# Altium PCB PCB_3U_DAC_no_BNC.PCBDOC (part 6 of 7)
Units mm, origin at the board's own origin, x right, y up, seen from the top; angles counter-clockwise.
Board outline 160 x 100 mm, 4 copper layers (TopLayer, Internal Plane 2, Signal Layer 1, BottomLayer), stack 1.563 mm thick; 706 components, 563 nets, 2139 pads, 736 vias.
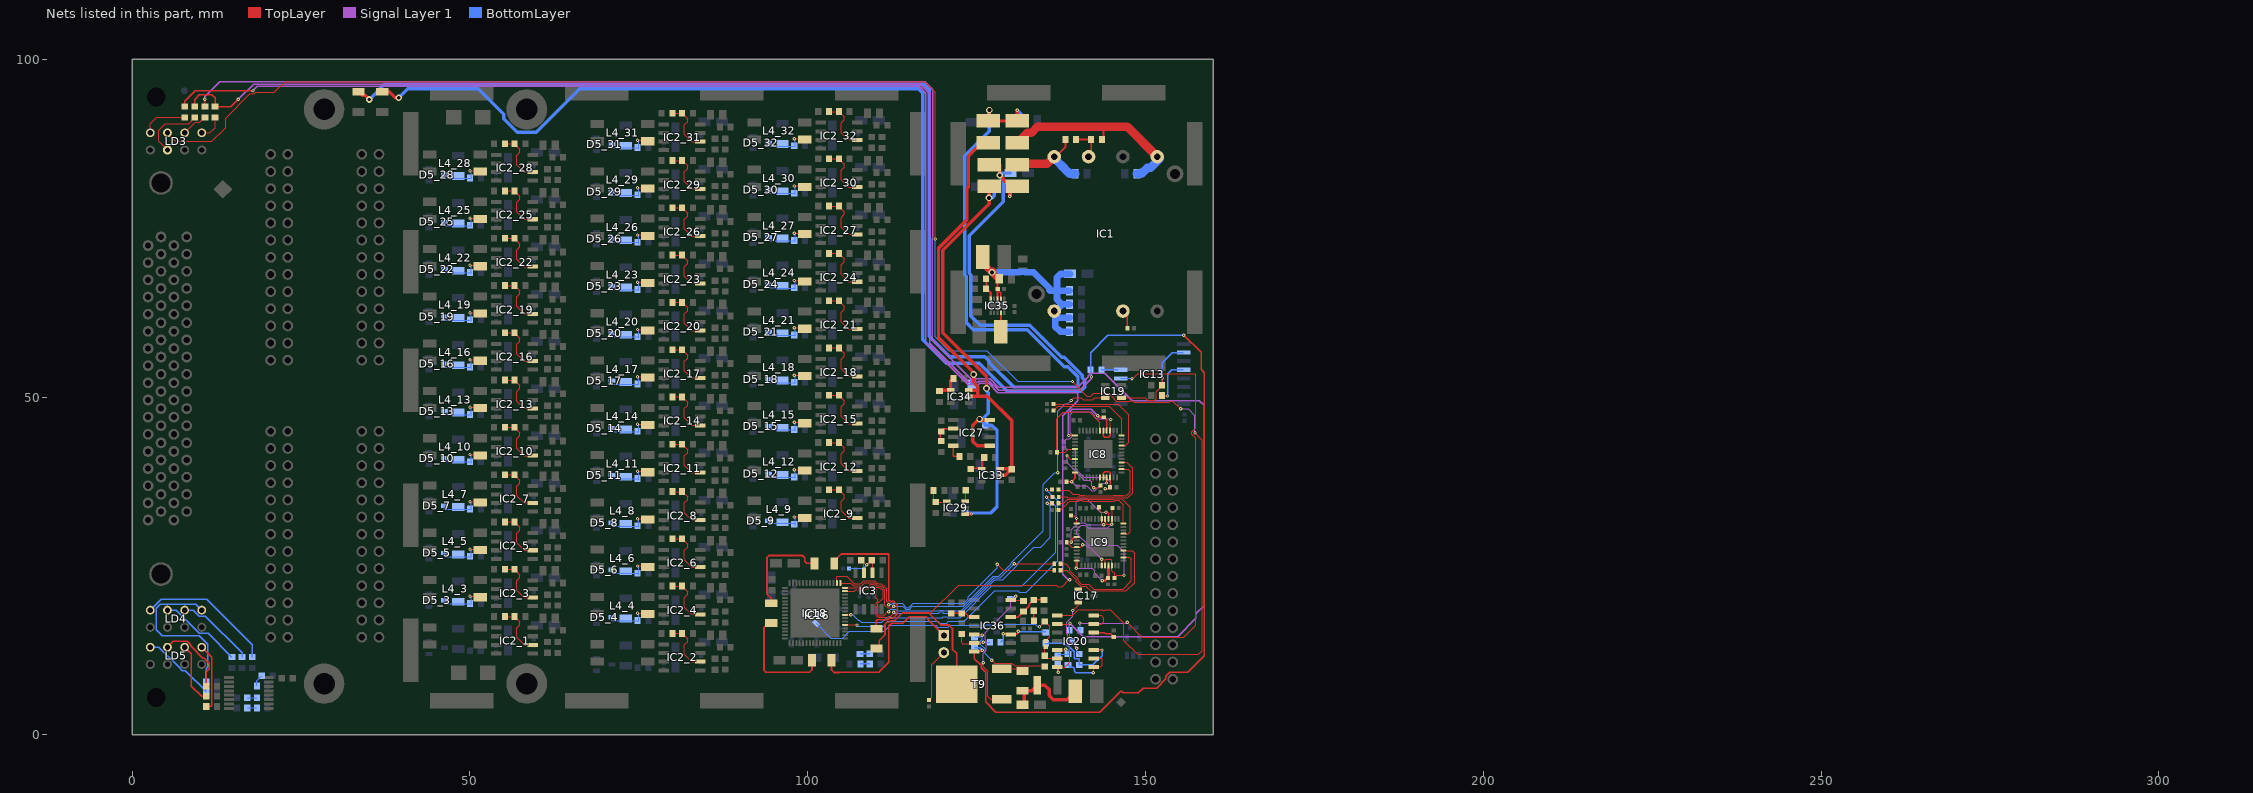
[diagram p8: the nets of this part, all layers, seen from the top]

## Via types
v1: diameter 0.5, hole 0.2, TopLayer to BottomLayer, tented both sides, 685 vias
v2: diameter 1, hole 0.5, TopLayer to BottomLayer, tented both sides, 21 vias
v3: diameter 0.6, hole 0.3, TopLayer to BottomLayer, tented both sides, 21 vias
v4: diameter 1, hole 0.6, TopLayer to BottomLayer, tented both sides, 9 vias

## Nets (pads, with @x,y where several pads share a name; then routed paths per layer and width w, separated by ;. In a path a pad name is that pad's centre, name@x,y a point inside that pad or via, vN(x,y) a via of type N, cw(c..) or ccw(c..) an arc to the next point about the centre after c; other vN are vias at no path point) (continued)
NetC62_3_2: C62_3.2 D5_3.3 L4_3.1 R39_3.2 | length 7.6
  TopLayer w0.152: v1(50.005,20.508) 51.419,20.508 L4_3.1@51.546,20.381
  BottomLayer w0.152: D5_3.3@46.213,20.206 D5_3.3@46.213,19.931 46.213,19.5 46.305,19.408 47.209,19.408 47.211,19.406 50.063,19.406 50.163,19.306 50.163,20.351 v1(50.005,20.508)
NetC62_4_2: C62_4.2 D5_4.3 L4_4.1 R39_4.2 | length 7.6
  TopLayer w0.152: v1(74.805,18.008) 76.219,18.008 L4_4.1@76.346,17.881
  BottomLayer w0.152: D5_4.3@71.013,17.706 D5_4.3@71.013,17.431 71.013,17 71.105,16.908 72.009,16.908 72.011,16.906 74.863,16.906 74.963,16.806 74.963,17.851 v1(74.805,18.008)
NetC62_5_2: C62_5.2 D5_5.3 L4_5.1 R39_5.2 | length 7.6
  TopLayer w0.152: v1(50.005,27.508) 51.419,27.508 L4_5.1@51.546,27.381
  BottomLayer w0.152: D5_5.3@46.213,27.206 D5_5.3@46.213,26.931 46.213,26.5 46.305,26.408 47.209,26.408 47.211,26.406 50.063,26.406 50.163,26.306 50.163,27.351 v1(50.005,27.508)
NetC62_6_2: C62_6.2 D5_6.3 L4_6.1 R39_6.2 | length 7.6
  TopLayer w0.152: v1(74.805,25.008) 76.219,25.008 L4_6.1@76.346,24.881
  BottomLayer w0.152: D5_6.3@71.013,24.706 D5_6.3@71.013,24.431 71.013,24 71.105,23.908 72.009,23.908 72.011,23.906 74.863,23.906 74.963,23.806 74.963,24.851 v1(74.805,25.008)
NetC62_7_2: C62_7.2 D5_7.3 L4_7.1 R39_7.2 | length 7.6
  TopLayer w0.152: v1(50.005,34.508) 51.419,34.508 L4_7.1@51.546,34.381
  BottomLayer w0.152: D5_7.3@46.213,34.206 D5_7.3@46.213,33.931 46.213,33.5 46.305,33.408 47.209,33.408 47.211,33.406 50.063,33.406 50.163,33.306 50.163,34.351 v1(50.005,34.508)
NetC62_8_2: C62_8.2 D5_8.3 L4_8.1 R39_8.2 | length 7.6
  TopLayer w0.152: v1(74.805,32.008) 76.219,32.008 L4_8.1@76.346,31.881
  BottomLayer w0.152: D5_8.3@71.013,31.706 71.013,31 71.105,30.908 72.009,30.908 72.011,30.906 74.863,30.906 74.963,30.806 74.963,31.851 v1(74.805,32.008)
NetC62_9_2: C62_9.2 D5_9.3 L4_9.1 R39_9.2 | length 7.6
  TopLayer w0.152: v1(98.005,32.258) 99.419,32.258 L4_9.1@99.546,32.131
  BottomLayer w0.152: D5_9.3@94.213,31.956 94.213,31.314 97.905,31.314 98.163,31.056 98.163,32.101 v1(98.005,32.258)
NetC62_10_2: C62_10.2 D5_10.3 L4_10.1 R39_10.2 | length 7.6
  TopLayer w0.152: v1(50.005,41.508) 51.419,41.508 L4_10.1@51.546,41.381
  BottomLayer w0.152: D5_10.3@46.213,41.206 46.213,40.5 46.305,40.408 47.209,40.408 47.211,40.406 50.063,40.406 50.163,40.306 50.163,41.351 v1(50.005,41.508)
NetC62_11_2: C62_11.2 D5_11.3 L4_11.1 R39_11.2 | length 7.6
  TopLayer w0.152: v1(74.805,39.008) 76.219,39.008 L4_11.1@76.346,38.881
  BottomLayer w0.152: D5_11.3@71.013,38.706 71.013,38 71.105,37.908 72.009,37.908 72.011,37.906 74.863,37.906 74.963,37.806 74.963,38.851 v1(74.805,39.008)
NetC62_12_2: C62_12.2 D5_12.3 L4_12.1 R39_12.2 | length 7.6
  TopLayer w0.152: v1(98.005,39.258) 99.419,39.258 L4_12.1@99.546,39.131
  BottomLayer w0.152: D5_12.3@94.213,38.956 94.213,38.25 94.305,38.158 95.209,38.158 95.211,38.156 98.063,38.156 98.163,38.056 98.163,39.101 v1(98.005,39.258)
NetC62_13_2: C62_13.2 D5_13.3 L4_13.1 R39_13.2 | length 7.6
  TopLayer w0.152: v1(50.005,48.508) 51.419,48.508 L4_13.1@51.546,48.381
  BottomLayer w0.152: D5_13.3@46.213,48.206 46.213,47.5 46.305,47.408 47.209,47.408 47.211,47.406 50.063,47.406 50.163,47.306 50.163,48.351 v1(50.005,48.508)
NetC62_14_2: C62_14.2 D5_14.3 L4_14.1 R39_14.2 | length 7.6
  TopLayer w0.152: v1(74.805,46.008) 76.219,46.008 L4_14.1@76.346,45.881
  BottomLayer w0.152: D5_14.3@71.013,45.706 71.013,45 71.105,44.908 72.009,44.908 72.011,44.906 74.863,44.906 74.963,44.806 74.963,45.851 v1(74.805,46.008)
NetC62_15_2: C62_15.2 D5_15.3 L4_15.1 R39_15.2 | length 7.6
  TopLayer w0.152: v1(98.005,46.258) 99.419,46.258 L4_15.1@99.546,46.131
  BottomLayer w0.152: D5_15.3@94.213,45.956 94.213,45.25 94.305,45.158 95.209,45.158 95.211,45.156 98.063,45.156 98.163,45.056 98.163,46.101 v1(98.005,46.258)
NetC62_16_2: C62_16.2 D5_16.3 L4_16.1 R39_16.2 | length 7.6
  TopLayer w0.152: v1(50.005,55.508) 51.419,55.508 L4_16.1@51.546,55.381
  BottomLayer w0.152: D5_16.3@46.213,55.206 46.213,54.5 46.305,54.408 47.209,54.408 47.211,54.406 50.063,54.406 50.163,54.306 50.163,55.351 v1(50.005,55.508)
NetC62_17_2: C62_17.2 D5_17.3 L4_17.1 R39_17.2 | length 7.6
  TopLayer w0.152: v1(74.805,53.008) 76.219,53.008 L4_17.1@76.346,52.881
  BottomLayer w0.152: D5_17.3@71.013,52.706 71.013,52 71.105,51.908 72.009,51.908 72.011,51.906 74.863,51.906 74.963,51.806 74.963,52.851 v1(74.805,53.008)
NetC62_18_2: C62_18.2 D5_18.3 L4_18.1 R39_18.2 | length 7.6
  TopLayer w0.152: v1(98.005,53.258) 99.419,53.258 L4_18.1@99.546,53.131
  BottomLayer w0.152: D5_18.3@94.213,52.956 94.213,52.25 94.305,52.158 95.209,52.158 95.211,52.156 98.063,52.156 98.163,52.056 98.163,53.101 v1(98.005,53.258)
NetC62_19_2: C62_19.2 D5_19.3 L4_19.1 R39_19.2 | length 7.6
  TopLayer w0.152: v1(50.005,62.508) 51.419,62.508 L4_19.1@51.546,62.381
  BottomLayer w0.152: D5_19.3@46.213,62.206 D5_19.3@46.213,61.931 46.213,61.5 46.305,61.408 47.209,61.408 47.211,61.406 50.063,61.406 50.163,61.306 50.163,62.351 v1(50.005,62.508)
NetC62_20_2: C62_20.2 D5_20.3 L4_20.1 R39_20.2 | length 7.6
  TopLayer w0.152: v1(74.805,60.008) 76.219,60.008 L4_20.1@76.346,59.881
  BottomLayer w0.152: D5_20.3@71.013,59.706 71.013,59 71.105,58.908 72.009,58.908 72.011,58.906 74.863,58.906 74.963,58.806 74.963,59.851 v1(74.805,60.008)
NetC62_21_2: C62_21.2 D5_21.3 L4_21.1 R39_21.2 | length 7.6
  TopLayer w0.152: v1(98.005,60.258) 99.419,60.258 L4_21.1@99.546,60.131
  BottomLayer w0.152: D5_21.3@94.213,59.956 94.213,59.25 94.305,59.158 95.209,59.158 95.211,59.156 98.063,59.156 98.163,59.056 98.163,60.101 v1(98.005,60.258)
NetC62_22_2: C62_22.2 D5_22.3 L4_22.1 R39_22.2 | length 7.6
  TopLayer w0.152: v1(50.005,69.508) 51.419,69.508 L4_22.1@51.546,69.381
  BottomLayer w0.152: D5_22.3@46.213,69.206 D5_22.3@46.213,68.931 46.213,68.5 46.305,68.408 47.209,68.408 47.211,68.406 50.063,68.406 50.163,68.306 50.163,69.351 v1(50.005,69.508)
NetC62_23_2: C62_23.2 D5_23.3 L4_23.1 R39_23.2 | length 7.6
  TopLayer w0.152: v1(74.805,67.008) 76.219,67.008 L4_23.1@76.346,66.881
  BottomLayer w0.152: D5_23.3@71.013,66.706 71.013,66 71.105,65.908 72.009,65.908 72.011,65.906 74.863,65.906 74.963,65.806 74.963,66.851 v1(74.805,67.008)
NetC62_24_2: C62_24.2 D5_24.3 L4_24.1 R39_24.2 | length 7.6
  TopLayer w0.152: v1(98.005,67.258) 99.419,67.258 L4_24.1@99.546,67.131
  BottomLayer w0.152: D5_24.3@94.213,66.956 94.213,66.25 94.305,66.158 95.209,66.158 95.211,66.156 98.063,66.156 98.163,66.056 98.163,67.101 v1(98.005,67.258)
NetC62_25_2: C62_25.2 D5_25.3 L4_25.1 R39_25.2 | length 7.6
  TopLayer w0.152: v1(50.005,76.508) 51.419,76.508 L4_25.1@51.546,76.381
  BottomLayer w0.152: D5_25.3@46.213,76.206 46.213,75.5 46.305,75.408 47.209,75.408 47.211,75.406 50.063,75.406 50.163,75.306 50.163,76.351 v1(50.005,76.508)
NetC62_26_2: C62_26.2 D5_26.3 L4_26.1 R39_26.2 | length 7.6
  TopLayer w0.152: v1(74.805,74.008) 76.219,74.008 L4_26.1@76.346,73.881
  BottomLayer w0.152: D5_26.3@71.013,73.706 71.013,73 71.105,72.908 72.009,72.908 72.011,72.906 74.863,72.906 74.963,72.806 74.963,73.851 v1(74.805,74.008)
NetC62_27_2: C62_27.2 D5_27.3 L4_27.1 R39_27.2 | length 7.6
  TopLayer w0.152: v1(98.005,74.258) 99.419,74.258 L4_27.1@99.546,74.131
  BottomLayer w0.152: D5_27.3@94.213,73.956 94.213,73.25 94.305,73.158 95.209,73.158 95.211,73.156 98.063,73.156 98.163,73.056 98.163,74.101 v1(98.005,74.258)
NetC62_28_2: C62_28.2 D5_28.3 L4_28.1 R39_28.2 | length 7.6
  TopLayer w0.152: v1(50.005,83.508) 51.419,83.508 L4_28.1@51.546,83.381
  BottomLayer w0.152: D5_28.3@46.213,83.206 D5_28.3@46.213,82.931 46.213,82.5 46.305,82.408 47.209,82.408 47.211,82.406 50.063,82.406 50.163,82.306 50.163,83.351 v1(50.005,83.508)
NetC62_29_2: C62_29.2 D5_29.3 L4_29.1 R39_29.2 | length 7.6
  TopLayer w0.152: v1(74.805,81.008) 76.219,81.008 L4_29.1@76.346,80.881
  BottomLayer w0.152: D5_29.3@71.013,80.706 D5_29.3@71.013,80.431 71.013,80 71.105,79.908 72.009,79.908 72.011,79.906 74.863,79.906 74.963,79.806 74.963,80.851 v1(74.805,81.008)
NetC62_30_2: C62_30.2 D5_30.3 L4_30.1 R39_30.2 | length 7.6
  TopLayer w0.152: v1(98.005,81.258) 99.419,81.258 L4_30.1@99.546,81.131
  BottomLayer w0.152: D5_30.3@94.213,80.956 D5_30.3@94.213,80.681 94.213,80.25 94.305,80.158 95.209,80.158 95.211,80.156 98.063,80.156 98.163,80.056 98.163,81.101 v1(98.005,81.258)
NetC62_31_2: C62_31.2 D5_31.3 L4_31.1 R39_31.2 | length 7.6
  TopLayer w0.152: v1(74.805,88.008) 76.219,88.008 L4_31.1@76.346,87.881
  BottomLayer w0.152: D5_31.3@71.013,87.706 71.013,87 71.105,86.908 72.009,86.908 72.011,86.906 74.863,86.906 74.963,86.806 74.963,87.851 v1(74.805,88.008)
NetC62_32_2: C62_32.2 D5_32.3 L4_32.1 R39_32.2 | length 7.6
  TopLayer w0.152: v1(98.005,88.258) 99.419,88.258 L4_32.1@99.546,88.131
  BottomLayer w0.152: D5_32.3@94.213,87.956 D5_32.3@94.213,87.681 94.213,87.25 94.305,87.158 95.209,87.158 95.211,87.156 98.063,87.156 98.163,87.056 98.163,88.101 v1(98.005,88.258)
NetC63_2: C63.2 C133.2 C134.1 IC27.5 IC27.8 IC29.1 L7.2 | length 71
  TopLayer w0.508: IC29.1@123.283,32.697 v1(124.242,32.697) ; v4@125.193,46.606 124.431,45.844 124.431,43.697 124.427,43.693 124.427,43.435 125.061,42.801 IC27.5@126.963,42.801 ; v4@125.32,46.606 125.325,46.611 IC27.8@126.963,46.611 ; v4(126.463,51.305) 126.463,53.083 119.986,59.56 119.986,71.752 126.844,78.61 L7.2@126.844,81.201
  BottomLayer w0.508: C133.2@123.283,32.847 127.081,32.847 128.016,33.782 128.016,45.069 127.254,45.831 C63.2@126.263,45.831 ; C63.2@126.209,46.098 125.701,46.606 126.717,47.622 126.717,50.679 126.463,50.933 v4(126.463,51.305) ; v4(126.844,79.499) 127.352,79.499 127.636,79.783 C134.1@127.636,81.15
  other v4: 125.447,46.733
NetC64_1: C64.1 IC27.4 | length 2.4
  TopLayer w0.2: IC27.4@121.563,42.801 121.563,41.219 122.345,41.219 C64.1@122.399,41.272
NetC65_1: C65.1 C152.1 L3.1 R172.2 | length 12
  TopLayer w0.508: C65.1@131.767,4.442 132.051,4.726 132.051,6.548 133.164,6.548 C152.1@133.98,7.363 135.099,7.363 135.23,7.232 135.23,7.229 135.599,6.859 135.603,6.859 135.734,6.728 135.734,5.839 136.369,5.204 138.325,5.204 L3.1@139.595,6.474
NetC68_2: C68.2 R117.1 | length 1.5
  BottomLayer w0.203: R117.1@107.75,11.981 109.181,11.981 C68.2@109.2,12
NetC71_2: C71.2 R118.1 | length 1.4
  BottomLayer w0.127: C71.2@17.05,5.5 R118.1@18.45,5.5
NetC76_2: C76.2 R82.1 | length 1.4
  BottomLayer w0.127: C76.2@17.05,4 R82.1@18.45,4
NetC77_2: C77.2 R58.1 | length 1.8
  BottomLayer w0.127: R58.1@18.45,7.25 18.45,8 C77.2@19.2,8.75
NetC80_2: C80.2 IC3.2 R3.2 | length 6.2
  TopLayer w0.127: v1(108.751,25.172) 109.28,25.702 109.614,25.702 IC3.2@109.614,24.02 IC3.2@109.614,23.45
  BottomLayer w0.127: R3.2@106.134,24.638 108.216,24.638 v1(108.751,25.172)
NetC82_2: C82.2 IC3.3 | length 2.1
  TopLayer w0.127: C82.2@107.899,25.842 108.344,25.397 108.344,25.389 108.284,25.328 108.284,24.081 IC3.3@108.344,24.02
NetC95_2: C95.2 R116.1 | length 1.4
  BottomLayer w0.203: R116.1@107.8,10.5 C95.2@109.2,10.5
NetC128_1: C128.1 IC29.3 | length 1.7
  TopLayer w0.127: IC29.3@123.283,34.597 123.408,34.722 C128.1@123.408,36.222
NetC130_2: C130.2 IC1.7 L6.1 R1.2 | length 13.1
  TopLayer w0.254: IC1.7@136.493,85.598 136.623,85.468 138.138,86.984 R1.2@138.138,88.138
  TopLayer w1.27: L6.1@131.035,84.401 131.213,84.579 135.469,84.579 IC1.7@136.488,85.598
  BottomLayer w1.27: IC1.7@136.75,85.087 138.037,83.8 138.037,83.79 138.769,83.058 C130.2@139.562,83.058
NetC131_2: C131.2 C132.1 F1.2 L6.2 L7.1 | length 204.4
  TopLayer w0.508: F1.2@37.013,95.206 38.043,95.206 38.942,94.307 v2(39.45,94.307) ; v2(128.421,82.855) L7.1@128.421,84.401 ; v2@128.751,82.582 128.975,82.359 128.975,82.15 129.924,81.201 L6.2@131.035,81.201 ; v1(129.892,79.753) L6.2@129.892,80.769
  BottomLayer w0.508: v2(39.45,94.307) 40.805,95.662 51.203,95.662 55.019,91.846 55.019,91.2 57,89.219 59.8,89.219 66.244,95.662 116.338,95.662 117,95 117,58.5 120.5,55 125.371,55 129.506,50.865 140.38,50.865 141,51.485 141,52.5 140.635,52.865 140.635,53.263 137.97,55.928 137.572,55.928 132.86,60.64 125.506,60.64 124.135,62.011 124.135,68.114 123.88,68.369 123.88,73.88 128.917,78.917 128.917,82.101 128.749,82.269 128.749,83.182 C132.1@129.989,83.182 ; C131.2@129.881,81.023 129.88,79.764 v1(129.892,79.753)
NetC136_1: C136.1 C137.2 C138.2 C139.2 C140.2 C150.2 C151.2 IC1.1 IC35.2 IC35.3 L8.1 | length 36.1
  TopLayer w0.254: IC35.3@128.087,64.581 128.087,67.535 C151.2@128.114,67.561 ; C150.2@128.241,65.91 128.241,65.783 128.588,65.436 IC35.2@128.588,64.581
  TopLayer w1: L8.1@126.336,69.847 126.336,69.383 127.06,68.658 127.465,68.658 127.465,68.254 C151.2@128.187,67.531
  BottomLayer w1: v4(127.288,68.477) 131.345,68.477 131.433,68.565 132.16,68.565 132.248,68.477 133.453,68.477 135.735,66.195 135.735,65.941 135.935,65.741 136.906,65.741 ; 136.771,61.741 C140.2@138.73,61.741 ; 137.755,63.741 C139.2@138.73,63.741 ; C138.2@138.73,65.741 136.906,65.741 ; C137.2@138.782,59.687 137.385,59.687 136.623,60.449 136.623,62.715 137.649,63.741 136.906,64.484 136.906,65.741 ; C136.1@138.83,68.241 137.429,68.241 136.906,67.718 136.906,65.741
NetC141_2: C141.2 IC1.4 L9.1 R4.1 | length 29.9
  TopLayer w0.254: R4.1@143.548,88.138 143.764,88.354 143.764,90.044
  TopLayer w1.27: L9.1@131.035,87.678 132.473,89.116 133.1,89.116 134.028,90.044 143.764,90.044 147.287,90.044 IC1.4@151.736,85.595
  BottomLayer w1.27: C141.2@148.728,83.058 149.37,83.058 150.279,83.968 150.743,83.968 IC1.4@152.117,85.341
NetC142_2: C142.2 C143.1 F2.2 L9.2 L15.1 | length 211.2
  TopLayer w0.508: F2.2@34.047,95.206 F2.2@33.513,95.206 34.056,94.663 34.472,94.663 v2(35.081,94.053) ; L15.1@126.717,90.878 130.451,90.878 L9.2@130.527,90.802 ; L15.1@126.717,91.183 126.844,91.31 v4@126.844,92.326 ; L9.2@131.035,90.878 v1(131.035,92.453)
  BottomLayer w0.508: v2(35.081,94.053) 37.325,96.297 117.203,96.297 118,95.5 118,59 121,56 126.174,56 126.881,55.293 126.881,55.119 130.5,51.5 140,51.5 140,53 138.5,54.5 138,54.5 132.495,60.005 124.495,60.005 123.5,61 123.5,67.851 123.245,68.106 123.245,85.745 126.874,89.374 v4(126.874,92.479) ; v1(131.035,92.453) 132.051,91.437 C142.2@132.051,91.183
NetC144_2: C144.2 C145.1 IC33.2 IC33.3 IC34.2 IC34.3 L15.2 | length 65.2
  TopLayer w0.508: IC34.2@123.796,50.162 125.193,50.162 ; IC34.3@123.836,51.044 125.073,51.044 125.193,50.924 125.193,50.162 ; 125.193,51.051 125.193,51.559 124.558,52.194 v4(124.558,53.337) 124.558,53.591 119.351,58.798 119.351,72.015 123.57,76.235 123.57,80.95 123.794,81.173 123.794,85.72 125.752,87.678 L15.2@126.717,87.678 ; IC33.2@128.485,38.435 129.213,38.435 129.892,39.113 C144.2@130.019,39.113 ; IC33.3@128.485,39.385 130.001,39.385 C144.2@130.146,39.24 ; C144.2@130.21,39.351 130.21,46.542 126.59,50.162 125.193,50.162
  BottomLayer w0.508: C145.1@124.304,52.067 124.558,52.321 124.558,52.702 ; C145.1@124.304,52.448 124.558,52.702 ; v4(124.558,53.337) 124.558,52.702
NetIC1_2: IC1.2 R2.2 | length 2.8
  TopLayer w0.254: IC1.2@146.648,62.738 147.282,62.104 R2.2@147.282,60.198
NetIC1_6: IC1.6 R1.1 R4.2 | length 4.9
  TopLayer w0.254: R1.1@139.738,88.138 R4.2@141.948,88.138 141.948,85.978 IC1.6@141.568,85.598
NetIC2_1_2: IC2_1.2 R67_1.1 R68_1.2 | length 7.9
  TopLayer w0.152: R67_1.1@55.156,17.526 R68_1.2@56.604,17.526 57.404,16.726 57.404,16.288 56.951,15.835 56.951,14.423 58.039,13.335 IC2_1.2@59.307,13.335
NetIC2_2_2: IC2_2.2 R67_2.1 R68_2.2 | length 7.9
  TopLayer w0.152: R67_2.1@79.956,15.026 R68_2.2@81.404,15.026 82.204,14.226 82.204,13.788 81.751,13.335 81.751,11.923 82.839,10.835 IC2_2.2@84.107,10.835
NetIC2_3_2: IC2_3.2 R67_3.1 R68_3.2 | length 7.9
  TopLayer w0.152: R67_3.1@55.156,24.526 R68_3.2@56.604,24.526 57.404,23.726 57.404,23.288 56.951,22.835 56.951,21.423 58.039,20.335 IC2_3.2@59.307,20.335
NetIC2_4_2: IC2_4.2 R67_4.1 R68_4.2 | length 7.9
  TopLayer w0.152: R67_4.1@79.956,22.026 R68_4.2@81.404,22.026 82.204,21.226 82.204,20.788 81.751,20.335 81.751,18.923 82.839,17.835 IC2_4.2@84.107,17.835
NetIC2_5_2: IC2_5.2 R67_5.1 R68_5.2 | length 7.9
  TopLayer w0.152: R67_5.1@55.156,31.526 R68_5.2@56.604,31.526 57.404,30.726 57.404,30.288 56.951,29.835 56.951,28.423 58.039,27.335 IC2_5.2@59.307,27.335
NetIC2_6_2: IC2_6.2 R67_6.1 R68_6.2 | length 7.9
  TopLayer w0.152: R67_6.1@79.956,29.026 R68_6.2@81.404,29.026 82.204,28.226 82.204,27.788 81.751,27.335 81.751,25.923 82.839,24.835 IC2_6.2@84.107,24.835
NetIC2_7_2: IC2_7.2 R67_7.1 R68_7.2 | length 7.9
  TopLayer w0.152: R67_7.1@55.156,38.526 R68_7.2@56.604,38.526 57.404,37.726 57.404,37.288 56.951,36.835 56.951,35.423 58.039,34.335 IC2_7.2@59.307,34.335
NetIC2_8_2: IC2_8.2 R67_8.1 R68_8.2 | length 7.9
  TopLayer w0.152: R67_8.1@79.956,36.026 R68_8.2@81.404,36.026 82.204,35.226 82.204,34.788 81.751,34.335 81.751,32.923 82.839,31.835 IC2_8.2@84.107,31.835
NetIC2_9_2: IC2_9.2 R67_9.1 R68_9.2 | length 7.9
  TopLayer w0.152: R67_9.1@103.156,36.276 R68_9.2@104.604,36.276 105.404,35.476 105.404,35.038 104.951,34.585 104.951,33.173 106.039,32.085 IC2_9.2@107.307,32.085
NetIC2_10_2: IC2_10.2 R67_10.1 R68_10.2 | length 7.9
  TopLayer w0.152: R67_10.1@55.156,45.526 R68_10.2@56.604,45.526 57.404,44.726 57.404,44.288 56.951,43.835 56.951,42.423 58.039,41.335 IC2_10.2@59.307,41.335
NetIC2_11_2: IC2_11.2 R67_11.1 R68_11.2 | length 7.9
  TopLayer w0.152: R67_11.1@79.956,43.026 R68_11.2@81.404,43.026 82.204,42.226 82.204,41.788 81.751,41.335 81.751,39.923 82.839,38.835 IC2_11.2@84.107,38.835
NetIC2_12_2: IC2_12.2 R67_12.1 R68_12.2 | length 7.9
  TopLayer w0.152: R67_12.1@103.156,43.276 R68_12.2@104.604,43.276 105.404,42.476 105.404,42.038 104.951,41.585 104.951,40.173 106.039,39.085 IC2_12.2@107.307,39.085
NetIC2_13_2: IC2_13.2 R67_13.1 R68_13.2 | length 7.9
  TopLayer w0.152: R67_13.1@55.156,52.526 R68_13.2@56.604,52.526 57.404,51.726 57.404,51.288 56.951,50.835 56.951,49.423 58.039,48.335 IC2_13.2@59.307,48.335
NetIC2_14_2: IC2_14.2 R67_14.1 R68_14.2 | length 7.9
  TopLayer w0.152: R67_14.1@79.956,50.026 R68_14.2@81.404,50.026 82.204,49.226 82.204,48.788 81.751,48.335 81.751,46.923 82.839,45.835 IC2_14.2@84.107,45.835
NetIC2_15_2: IC2_15.2 R67_15.1 R68_15.2 | length 7.9
  TopLayer w0.152: R67_15.1@103.156,50.276 R68_15.2@104.604,50.276 105.404,49.476 105.404,49.038 104.951,48.585 104.951,47.173 106.039,46.085 IC2_15.2@107.307,46.085
NetIC2_16_2: IC2_16.2 R67_16.1 R68_16.2 | length 7.9
  TopLayer w0.152: R67_16.1@55.156,59.526 R68_16.2@56.604,59.526 57.404,58.726 57.404,58.288 56.951,57.835 56.951,56.423 58.039,55.335 IC2_16.2@59.307,55.335
NetIC2_17_2: IC2_17.2 R67_17.1 R68_17.2 | length 7.9
  TopLayer w0.152: R67_17.1@79.956,57.026 R68_17.2@81.404,57.026 82.204,56.226 82.204,55.788 81.751,55.335 81.751,53.923 82.839,52.835 IC2_17.2@84.107,52.835
NetIC2_18_2: IC2_18.2 R67_18.1 R68_18.2 | length 7.9
  TopLayer w0.152: R67_18.1@103.156,57.276 R68_18.2@104.604,57.276 105.404,56.476 105.404,56.038 104.951,55.585 104.951,54.173 106.039,53.085 IC2_18.2@107.307,53.085
NetIC2_19_2: IC2_19.2 R67_19.1 R68_19.2 | length 7.9
  TopLayer w0.152: R67_19.1@55.156,66.526 R68_19.2@56.604,66.526 57.404,65.726 57.404,65.288 56.951,64.835 56.951,63.423 58.039,62.335 IC2_19.2@59.307,62.335
NetIC2_20_2: IC2_20.2 R67_20.1 R68_20.2 | length 7.9
  TopLayer w0.152: R67_20.1@79.956,64.026 R68_20.2@81.404,64.026 82.204,63.226 82.204,62.788 81.751,62.335 81.751,60.923 82.839,59.835 IC2_20.2@84.107,59.835
NetIC2_21_2: IC2_21.2 R67_21.1 R68_21.2 | length 7.9
  TopLayer w0.152: R67_21.1@103.156,64.276 R68_21.2@104.604,64.276 105.404,63.476 105.404,63.038 104.951,62.585 104.951,61.173 106.039,60.085 IC2_21.2@107.307,60.085
NetIC2_22_2: IC2_22.2 R67_22.1 R68_22.2 | length 7.9
  TopLayer w0.152: R67_22.1@55.156,73.526 R68_22.2@56.604,73.526 57.404,72.726 57.404,72.288 56.951,71.835 56.951,70.423 58.039,69.335 IC2_22.2@59.307,69.335
NetIC2_23_2: IC2_23.2 R67_23.1 R68_23.2 | length 7.9
  TopLayer w0.152: R67_23.1@79.956,71.026 R68_23.2@81.404,71.026 82.204,70.226 82.204,69.788 81.751,69.335 81.751,67.923 82.839,66.835 IC2_23.2@84.107,66.835
NetIC2_24_2: IC2_24.2 R67_24.1 R68_24.2 | length 7.9
  TopLayer w0.152: R67_24.1@103.156,71.276 R68_24.2@104.604,71.276 105.404,70.476 105.404,70.038 104.951,69.585 104.951,68.173 106.039,67.085 IC2_24.2@107.307,67.085
NetIC2_25_2: IC2_25.2 R67_25.1 R68_25.2 | length 7.9
  TopLayer w0.152: R67_25.1@55.156,80.526 R68_25.2@56.604,80.526 57.404,79.726 57.404,79.288 56.951,78.835 56.951,77.423 58.039,76.335 IC2_25.2@59.307,76.335
NetIC2_26_2: IC2_26.2 R67_26.1 R68_26.2 | length 7.9
  TopLayer w0.152: R67_26.1@79.956,78.026 R68_26.2@81.404,78.026 82.204,77.226 82.204,76.788 81.751,76.335 81.751,74.923 82.839,73.835 IC2_26.2@84.107,73.835
NetIC2_27_2: IC2_27.2 R67_27.1 R68_27.2 | length 7.9
  TopLayer w0.152: R67_27.1@103.156,78.276 R68_27.2@104.604,78.276 105.404,77.476 105.404,77.038 104.951,76.585 104.951,75.173 106.039,74.085 IC2_27.2@107.307,74.085
NetIC2_28_2: IC2_28.2 R67_28.1 R68_28.2 | length 7.9
  TopLayer w0.152: R67_28.1@55.156,87.526 R68_28.2@56.604,87.526 57.404,86.726 57.404,86.288 56.951,85.835 56.951,84.423 58.039,83.335 IC2_28.2@59.307,83.335
NetIC2_29_2: IC2_29.2 R67_29.1 R68_29.2 | length 7.9
  TopLayer w0.152: R67_29.1@79.956,85.026 R68_29.2@81.404,85.026 82.204,84.226 82.204,83.788 81.751,83.335 81.751,81.923 82.839,80.835 IC2_29.2@84.107,80.835
NetIC2_30_2: IC2_30.2 R67_30.1 R68_30.2 | length 7.9
  TopLayer w0.152: R67_30.1@103.156,85.276 R68_30.2@104.604,85.276 105.404,84.476 105.404,84.038 104.951,83.585 104.951,82.173 106.039,81.085 IC2_30.2@107.307,81.085
NetIC2_31_2: IC2_31.2 R67_31.1 R68_31.2 | length 7.9
  TopLayer w0.152: R67_31.1@79.956,92.026 R68_31.2@81.404,92.026 82.204,91.226 82.204,90.788 81.751,90.335 81.751,88.923 82.839,87.835 IC2_31.2@84.107,87.835
NetIC2_32_2: IC2_32.2 R67_32.1 R68_32.2 | length 7.9
  TopLayer w0.152: R67_32.1@103.156,92.276 R68_32.2@104.604,92.276 105.404,91.476 105.404,91.038 104.951,90.585 104.951,89.173 106.039,88.085 IC2_32.2@107.307,88.085
NetIC8_1: IC8.1 IC8.40 R16.2 | length 12.4
  TopLayer w0.203: v1(138.631,44.33) IC8.1@139.556,44.33 ; v1(142.904,47.241) 143.123,47.023 R16.2@143.827,47.023 144.256,46.594 IC8.40@144.256,45.03
  Signal Layer 1 w0.203: v1(138.631,44.33) 138.564,44.398 138.564,47.581 139.164,48.181 141.964,48.181 v1(142.904,47.241)
NetIC8_5: IC8.5 IC8.42 R17.2 | length 16.5
  TopLayer w0.127: IC8.5@139.556,42.33 139.539,42.314 138.595,42.314 138.135,41.854 R17.2@136.88,41.854 136.88,46.779 137.85,47.749 139.21,47.749 139.305,47.844 141.667,47.844 143.256,46.255 IC8.42@143.256,45.03
NetIC8_8: IC8.8 IC8.19 R18.2 | length 10.6
  TopLayer w0.127: v1(138.383,41.298) 138.85,40.83 IC8.8@139.556,40.83 ; v1(142.32,36.599) 143.181,36.599 143.256,36.673 IC8.19@143.256,38.13
  Signal Layer 1 w0.127: v1(138.383,41.298) 138.383,40.253 140.936,37.699 141.766,37.699 142.024,37.441 142.024,36.895 v1(142.32,36.599)
NetIC8_12: IC8.12 IC8.21 R19.2 | length 9.4
  TopLayer w0.254: R19.2@138.277,37.485 v1(139.066,37.485) 139.556,37.975 IC8.12@139.556,38.83 ; v1(144.225,37.284) 144.225,38.049 144.2,38.074 IC8.21@144.256,38.13
  Signal Layer 1 w0.127: v1(139.066,37.485) 139.648,36.903 141.316,36.903 142.061,36.158 142.502,36.158 143.629,37.284 v1(144.225,37.284)
  Signal Layer 1 w0.254: v1@144.225,37.241 v1(144.225,37.284)
NetIC8_20: IC8.20 IC8.22 IC8.39 IC8.41 R6.1 | length 33.5
  TopLayer w0.127: IC8.39@144.756,45.03 144.756,46.68 144.758,46.682 v1(144.835,46.682)
  TopLayer w0.203: IC8.20@143.756,38.13 143.756,38.746 143.971,38.961 144.581,38.961 144.756,38.786 IC8.22@144.756,38.13 144.756,36.69 144.487,36.421 v1(144.022,36.421) ; IC8.41@143.756,45.03 143.756,44.256 143.946,44.066 144.555,44.066 144.756,44.267 IC8.39@144.756,45.03
  Signal Layer 1 w0.127: v1(144.022,36.421) 144.403,36.421 144.835,36.853 144.835,37.388 144.092,38.13 140.864,38.13 139.653,39.342 139.653,42.024 139.363,42.314 138.346,42.314 138.088,42.572 138.088,43.589 138.346,43.847 138.77,43.847 139.071,44.148 139.071,44.513 138.856,44.728 138.856,47.395 139.152,47.691 139.305,47.844 141.889,47.844 142.464,47.269 142.464,47.059 142.722,46.801 144.716,46.801 v1(144.835,46.682)
NetIC8_26: IC8.26 R97.2 | length 15.7
  TopLayer w0.127: R97.2@137.126,36.243 138.612,36.243 139.201,35.653 140.097,35.653 140.26,35.49 140.913,35.49 140.998,35.405 144.099,35.405 144.127,35.377 145.078,35.377 145.191,35.49 146.713,35.49 146.825,35.377 147.118,35.377 147.705,35.964 147.705,39.037 147.411,39.33 IC8.26@146.456,39.33
NetIC8_28: IC8.28 R14.2 | length 17.1
  TopLayer w0.127: R14.2@137.151,35.227 138.358,35.227 138.459,35.125 139.912,35.125 140.022,35.236 140.808,35.236 140.918,35.125 144.019,35.125 144.022,35.123 145.183,35.123 145.296,35.236 146.607,35.236 146.72,35.123 147.372,35.123 148.086,35.837 148.086,39.494 147.25,40.33 IC8.28@146.456,40.33
NetIC8_33: IC8.33 R13.2 | length 17.1
  TopLayer w0.127: R13.2@136.364,48.968 145.952,48.968 147.502,47.419 147.502,43.33 147.002,42.83 IC8.33@146.456,42.83
NetIC8_36: IC8.36 R11.2 | length 13.6
  TopLayer w0.127: R11.2@136.364,48.003 137.024,48.664 144.606,48.664 146.456,46.814 IC8.36@146.456,44.33
NetIC9_1: IC9.1 IC9.40 R20.2 | length 10.8
  TopLayer w0.127: R20.2@138.967,32.471 139.343,32.471 v1(139.78,32.034) 139.82,31.994 IC9.1@139.82,31.284 ; v1@144.269,33.087 144.52,32.836 IC9.40@144.52,31.984
  Signal Layer 1 w0.127: v1(139.78,32.034) 139.78,34.515 140.247,34.982 141.264,34.982 141.339,34.907 143.279,32.966 v1(144.149,32.966)
NetIC9_5: IC9.5 IC9.42 R21.2 | length 11.3
  TopLayer w0.127: R21.2@143.095,33.703 143.095,33.322 143.52,32.897 IC9.42@143.52,31.984 143.52,31.36 v1(143.793,31.087)
  TopLayer w0.254: v1(139.012,28.546) 139.116,28.65 139.116,28.951 139.353,29.188 139.724,29.188 IC9.5@139.82,29.284
  Signal Layer 1 w0.127: v1(139.012,28.546) 139.012,30.335 140.094,31.417 141,31.417 141.33,31.087 v1(143.793,31.087)
NetIC9_8: IC9.8 IC9.19 R22.2 | length 7.4
  TopLayer w0.127: R22.2@138.345,28.521 139.083,27.784 IC9.8@139.82,27.784 139.837,27.8 140.38,27.8 v1(140.72,28.14) ; v1(143.514,25.981) 143.514,25.09 IC9.19@143.52,25.084
  Signal Layer 1 w0.127: v1(140.72,28.14) 141.11,28.14 141.462,27.789 141.708,27.789 143.514,25.983 v1(143.514,25.981)
NetIC9_12: IC9.12 IC9.21 R23.2 | length 8.9
  TopLayer w0.381: v1(139.729,24.661) 139.82,24.751 IC9.12@139.82,25.784 ; v1(143.59,22.806) 143.91,22.806 144.353,23.249 R23.2@144.462,23.249 144.52,23.307 IC9.21@144.52,25.084
  Signal Layer 1 w0.127: v1(139.729,24.661) 142.084,24.661 142.46,24.284 142.46,23.936 v1(143.59,22.806)
NetIC9_20: IC9.20 IC9.22 IC9.39 IC9.41 R157.1 R171.1 | length 27.9
  TopLayer w0.127: IC9.20@144.02,25.084 144.02,25.903 144.098,25.981 144.835,25.981 145.02,25.796 IC9.22@145.02,25.084 145.02,24.323 145.427,23.916 R157.1@145.427,23.249 145.823,23.645 v1(146.816,23.645) ; IC9.41@144.02,31.984 144.02,31.483 144.234,31.269 144.234,31.205 v1(144.978,31.205) 145.038,31.265 145.038,33.233 R171.1@144.936,33.335
  Signal Layer 1 w0.127: v1(144.978,31.205) 144.419,30.646 141.411,30.646 141.024,31.034 140.514,31.034 139.82,30.339 139.82,29.79 141.567,28.043 145.821,28.043 146.816,27.048 v1(146.816,23.645)
NetIC9_26: IC9.26 R88.2 | length 17.4
  TopLayer w0.127: R88.2@137.431,25.346 138.154,25.346 138.793,24.708 138.793,24.305 140.014,23.084 140.014,22.802 140.495,22.321 141.586,22.321 142.316,21.591 146.667,21.591 147.908,22.832 147.908,25.981 147.606,26.284 IC9.26@146.72,26.284
NetIC9_28: IC9.28 R51.2 | length 19.1
  TopLayer w0.127: R51.2@137.431,24.381 138.358,24.381 139.76,22.979 139.76,22.697 140.438,22.019 141.187,22.019 141.898,21.308 147.146,21.308 148.391,22.552 148.391,26.921 148.028,27.284 IC9.28@146.72,27.284
NetIC9_33: IC9.33 R101.2 | length 16.3
  TopLayer w0.127: R101.2@137.151,34.262 137.903,34.262 138.51,34.869 140.015,34.869 140.127,34.982 140.703,34.982 140.815,34.869 145.288,34.869 145.401,34.982 146.502,34.982 147.756,33.728 147.756,30.071 147.468,29.784 IC9.33@146.72,29.784
NetIC9_36: IC9.36 R99.2 | length 13.3
  TopLayer w0.127: R99.2@137.151,33.297 137.486,33.297 138.501,34.312 138.501,34.343 138.774,34.615 140.12,34.615 140.233,34.728 140.597,34.728 140.71,34.615 145.394,34.615 145.506,34.728 146.07,34.728 146.72,34.078 IC9.36@146.72,31.284
NetIC13_4: IC13.4 R81.1 | length 69.1
  TopLayer w0.152: v1@147.269,16.656 149.45,14.475 155.673,14.475 157.451,16.253 157.451,43.929 156.863,44.516 156.863,44.892 157.451,45.479 157.451,53.464 148.824,53.464 148.11,52.75 v1(148,52.75)
  Signal Layer 1 w0.152: v1(140.288,16.558) 147.171,16.558 v1(147.298,16.685)
  BottomLayer w0.152: v1(140.288,16.558) 140.344,16.502 R81.1@140.344,15.491 ; IC13.4@146.315,52.791 147.959,52.791 v1(148,52.75)
NetIC13_5: IC13.5 R71.1 | length 2.5
  BottomLayer w0.203: R71.1@143.459,54.061 145.855,54.061 IC13.5@145.894,54.099
NetIC13_10: IC13.10 IC19.3 R12.2 | length 14.8
  TopLayer w0.127: IC19.3@146.45,49.911 149.947,49.911 150.322,49.535 151.38,49.535 151.609,49.764 151.609,50.797 R12.2@152.498,51.686
  TopLayer w0.203: R12.2@152.371,51.813 152.498,51.94 v1(152.498,52.829)
  BottomLayer w0.203: v1(152.498,52.829) 152.498,55.115 153.983,56.601 IC13.10@155.615,56.601
NetIC13_12: IC13.12 R8.2 | length 6.8
  TopLayer w0.203: R8.2@152.371,50.289 152.498,50.162 v1(153.26,50.162)
  BottomLayer w0.203: v1(153.26,50.162) 153.26,53.464 153.856,54.061 IC13.12@155.615,54.061
NetIC16_2: IC16.2 R52.1 R72.2 | length 40.1
  TopLayer w0.127: v1(134.313,16.031) 135.081,16.799 R52.1@135.099,16.799 135.849,16.049 135.849,14.517 135.261,13.929 R72.2@135.226,13.929
  BottomLayer w0.127: IC16.2@101.239,16.511 103.41,14.341 105.154,14.341 106.154,15.341 111.303,15.341 112.184,16.222 119.012,16.222 119.268,15.965 120.801,15.965 121.058,16.222 125.249,16.222 125.63,15.841 125.995,15.841 126.44,16.286 128.565,16.286 128.677,16.397 128.691,16.411 133.659,16.411 134.038,16.031 v1(134.313,16.031)
NetIC17_1: IC17.1 IC17.2 R56.1 R76.2 | length 12.4
  TopLayer w0.127: v1(139.247,18.412) 140.045,19.21 IC17.2@140.045,19.621 IC17.1@140.045,21.521
  Signal Layer 1 w0.127: v1(139.247,18.412) 139.247,17.574 138.644,16.972 138.63,16.972 138.372,16.714 138.372,15.002 138.457,14.918 138.457,14.553 138.372,14.468 138.372,14.258 v1(139.805,12.824)
  BottomLayer w0.127: R56.1@139.125,13.84 139.653,13.312 139.653,12.977 v1(139.805,12.824) 139.805,12.346 R76.2@140.179,11.973
NetIC18_1: IC18.1 IC19.2 | length 65.4
  TopLayer w0.127: IC18.1@104.813,22.481 106.392,22.481 106.778,22.095 107.976,22.095 108.417,22.536 109.81,22.536 110.064,22.282 110.091,22.282 110.278,22.095 110.637,22.095 110.824,21.909 111.028,21.909 111.421,21.516 111.421,19.205 111.817,18.809 112.509,18.809 v1(112.747,19.047) ; v1(139,49.5) 139.411,49.911 140.474,49.911 140.788,49.598 142.177,49.598 142.49,49.911 IC19.2@144.05,49.911
  Signal Layer 1 w0.127: v1@137.004,38.834 137.004,47.876 138.127,49 138.5,49 v1(139,49.5)
  BottomLayer w0.127: v1(112.747,19.047) 112.755,19.039 114.058,19.039 114.491,18.607 115.066,18.607 115.499,19.039 123.021,19.039 127.487,23.505 128.253,23.505 130.119,25.371 130.119,25.503 134.852,30.237 134.852,37.107 136.58,38.834 v1(136.986,38.834)
NetIC18_2: IC18.2 R51.1 | length 40.4
  TopLayer w0.127: IC18.2@104.313,22.481 104.313,23.44 104.365,23.492 105.762,23.492 106.905,22.349 107.871,22.349 108.311,22.79 109.915,22.79 110.169,22.536 110.197,22.536 110.383,22.349 110.854,22.349 111.04,22.163 111.133,22.163 111.675,21.621 111.675,19.794 112,19.47 v1(112,19.25) ; v1(128.045,25.245) 128.909,24.381 R51.1@136.491,24.381
  BottomLayer w0.127: v1(112,19.25) 112,19.308 112.112,19.42 112.171,19.361 112.437,19.361 112.564,19.488 113.969,19.488 114.596,18.861 114.961,18.861 115.588,19.488 123.11,19.488 123.761,20.138 123.761,20.478 128.045,24.762 v1(128.045,25.245)
NetIC18_53: IC18.53 R97.1 | length 48
  TopLayer w0.152: IC18.53@105.513,16.281 107.258,16.281 v1(107.286,16.253) ; v1(135.335,36.294) 135.386,36.243 R97.1@136.186,36.243
  BottomLayer w0.152: v1(107.286,16.253) 107.441,16.098 111.216,16.098 111.936,16.819 119.259,16.819 119.516,16.562 120.554,16.562 120.811,16.819 123.15,16.819 127.646,21.315 131.137,21.315 131.311,21.141 132.366,21.141 137,25.775 137,34.629 v1(135.335,36.294)
NetIC18_56: IC18.56 R14.1 | length 45.7
  TopLayer w0.152: IC18.56@105.513,17.781 v1(106.393,17.781) ; v1(135.335,35.202) 135.36,35.227 R14.1@136.211,35.227
  BottomLayer w0.152: v1(106.393,17.781) 106.647,17.781 107.442,16.986 107.589,16.986 107.918,16.657 110.984,16.657 111.705,17.377 119.49,17.377 119.544,17.324 119.919,17.324 120.064,17.468 120.554,17.468 120.645,17.377 122.565,17.377 127.235,22.047 131.749,22.047 136.721,27.019 136.721,33.816 v1(135.335,35.202)
NetIC18_63: IC18.63 R101.1 | length 46.4
  TopLayer w0.127: IC18.63@105.513,21.281 106.896,21.281 107.075,21.46 108.06,21.46 108.246,21.647 109.03,21.647 109.411,22.028 109.599,22.028 109.853,21.774 109.881,21.774 110.147,21.508 110.147,20.262 110.358,20.05 110.358,19.799 110.139,19.58 110.139,17.661 110.4,17.401 111.773,17.401 111.965,17.593 112.309,17.593 112.747,18.031 v1(112.747,18.158) ; v1(135.462,34.287) 135.487,34.262 R101.1@136.211,34.262
  BottomLayer w0.127: v1(112.747,18.158) 112.747,18.057 112.759,18.044 119.375,18.044 119.549,18.218 119.914,18.218 120.088,18.044 122.744,18.044 127.697,22.997 128.859,22.997 131,25.139 131,25.363 133.448,27.81 134.464,27.81 135.902,29.249 135.902,33.847 v1(135.462,34.287)
NetIC18_64: IC18.64 R88.1 | length 39.8
  TopLayer w0.127: IC18.64@105.513,21.781 108.021,21.781 108.141,21.901 108.925,21.901 109.306,22.282 109.704,22.282 109.958,22.028 109.986,22.028 110.173,21.841 110.532,21.841 110.718,21.655 110.923,21.655 111.155,21.423 111.155,20.236 110.393,19.474 110.393,17.766 110.505,17.655 111.263,17.655 111.858,18.25 v1(112,18.25) ; v1(130.56,25.321) 130.585,25.346 R88.1@136.491,25.346
  BottomLayer w0.127: v1(112,18.25) 112,18.288 112.31,18.599 112.929,18.599 113.175,18.353 119.325,18.353 119.444,18.472 120.019,18.472 120.079,18.412 122.753,18.412 127.592,23.251 128.529,23.251 v1@130.579,25.301
NetIC20_1: IC20.1 IC20.2 R84.2 | length 8.8
  TopLayer w0.152: v1(142.24,9.222) 142.335,9.317 IC20.1@142.335,10.062 143.343,10.062 143.563,10.281 143.563,11.281 143.512,11.332 IC20.2@142.335,11.332
  BottomLayer w0.203: R84.2@138.528,10.373 138.876,10.025 139.238,10.025 139.416,9.846 139.416,9.484 139.679,9.222 v1(142.24,9.222)
NetIC20_3: IC20.3 R5.2 R76.1 | length 13.6
  TopLayer w0.203: IC20.3@142.335,12.602 143.492,12.602 v1(143.563,12.531)
  BottomLayer w0.203: R5.2@135.36,13.569 137.741,13.569 137.948,13.362 138.345,13.362 138.445,13.462 ; 138.446,13.461 138.446,13.246 138.58,13.112 138.662,13.112 139.45,12.324 139.45,11.429 139.584,11.295 140.179,11.295 R76.1@140.179,10.373 142.199,10.373 143.563,11.737 v1(143.563,12.531)
  BottomLayer w0.254: R5.2@135.226,13.569 R5.2@135.36,13.569
NetIC20_5: IC20.5 R10.1 | length 3.2
  TopLayer w0.203: IC20.5@142.335,15.142 143.91,15.142 144.09,14.962 144.842,14.962 R10.1@145.288,14.516
NetIC20_6: IC20.6 IC20.7 | length 3.8
  TopLayer w0.152: IC20.6@142.335,16.412 143.443,16.412 143.813,16.781 143.813,17.281 143.412,17.682 IC20.7@142.335,17.682
NetIC20_8: IC20.8 LD3.4 | length 260.8
  TopLayer w0.152: LD3.4@5.218,89.126 6.463,87.881 11.782,87.881 13.814,89.913 13.814,91.31 17.424,94.921 18.065,94.921 18.264,95.12 21.053,95.12 22.63,96.698 117.302,96.698 118.872,95.128 v1(118.872,73.406) ; IC20.8@136.935,17.682 139.213,17.682 140.063,18.531 143.61,18.531 143.674,18.467 144.049,18.467 144.113,18.531 144.759,18.531 146.783,16.507 146.783,13.967 148.815,11.935 157.806,11.935 158.365,12.494 158.365,43.655 v1(157.316,44.704) ; v1(139.192,52.324) 139.192,52.27 141.317,50.145 141.9,50.145 142.312,50.557 144.641,50.557 144.903,50.295 144.903,50.2 145.696,49.407 147.673,49.407 147.738,49.472 148.113,49.472 148.317,49.268 153.531,49.268 153.67,49.407 154.047,49.407 v1(155.194,48.26)
  Signal Layer 1 w0.152: v1(155.194,48.26) 156.3,48.26 157.316,47.244 v1(157.316,44.704)
  BottomLayer w0.152: v1(118.872,73.406) 118.872,58.928 120.904,56.896 126.492,56.896 131.064,52.324 v1(139.192,52.324)
NetIC20_9: IC20.9 IC20.14 R81.2 R83.1 R87.2 | length 259
  TopLayer w0.152: IC20.9@136.935,16.412 138.693,16.412 v1(138.813,16.531) 138.813,10.781 137.966,9.934 137.062,9.934 v1(137.062,9.281)
  TopLayer w0.203: R83.1@10.763,93.006 10.763,94.101 v1(10.766,94.104)
  Signal Layer 1 w0.203: v1(10.766,94.104) 10.766,94.485 12.953,96.672 117.328,96.672 118.5,95.5 118.5,73.711 118.393,73.604 118.393,58.471 124.256,52.609 124.859,52.609 124.945,52.694 127.038,52.694 128.232,51.5 140,51.5 141.521,53.021 141.521,53.198 141.823,53.5 144,53.5 148,49.5 157.951,49.5 158.67,48.781 158.67,19.123 157.451,17.904 157.451,17.261 154.741,14.551 140.792,14.551 v1(138.813,16.531)
  BottomLayer w0.152: R87.2@137.004,10.373 137.062,10.314 v1(137.062,9.281) ; R81.2@138.744,15.491 138.744,16.462 v1(138.813,16.531)
NetIC20_12: IC20.12 R84.1 R87.1 | length 3.8
  TopLayer w0.152: IC20.12@136.935,12.602 138.078,12.602 v1(138.176,12.7)
  BottomLayer w0.152: R87.1@137.004,11.973 R84.1@138.528,11.973 138.528,12.566 138.394,12.7 v1(138.176,12.7)
NetIC20_13: IC20.13 R72.1 R77.2 | length 3.3
  TopLayer w0.127: R72.1@135.226,12.989 135.099,12.862 R77.2@135.099,11.719 135.486,11.332 IC20.13@136.935,11.332
NetIC27_2: IC27.2 R150.1 R153.2 | length 3.6
  TopLayer w0.2: R153.2@119.732,43.431 119.605,43.558 119.605,44.828 120.118,45.341 IC27.2@121.563,45.341
NetIC29_4: IC29.4 R156.1 R158.2 | length 3.6
  TopLayer w0.127: R158.2@118.638,36.171 118.638,34.742 R156.1@118.933,34.447 120.433,34.447 IC29.4@120.583,34.597
NetIC33_4: IC33.4 R159.1 R161.2 | length 3.3
  TopLayer w0.2: R159.1@124.177,39.494 125.828,39.494 125.828,40.751 R161.2@126.127,41.051
NetIC34_4: IC34.4 R69.1 R70.2 | length 3.2
  TopLayer w0.508: R69.1@119.732,51.051 121.002,51.051 121.129,51.178 121.129,52.339 R70.2@121.568,52.778
NetIC35_5: IC35.5 R162.1 R164.2 | length 3
  TopLayer w0.305: R164.2@126.463,67.307 126.463,66.037 127.087,65.412 IC35.5@127.087,64.581
NetIC35_9: IC35.9 L16.1 | length 1.9
  TopLayer w0.33: IC35.9@128.588,62.481 128.588,60.61 L16.1@128.622,60.576
NetIC36_3: IC36.3 R5.1 R9.2 | length 8
  TopLayer w0.203: v1(128.93,14.986) IC36.3@129.982,14.986 ; IC36.3@130.08,14.888 130.939,14.888 131.162,15.11 v1(131.162,15.364)
  BottomLayer w0.203: R9.2@128.562,13.716 128.562,13.727 128.93,14.095 v1(128.93,14.986) ; v1(131.162,15.364) 131.259,15.267 R5.1@135.255,15.267
NetIC36_5: IC36.5 R55.2 R62.2 R65.1 | length 6.1
  TopLayer w0.203: IC36.5@130.08,17.428 131.104,17.428 R62.2@131.924,18.247 132.813,19.136 132.813,19.339 R55.2@133.448,19.974 R65.1@134.972,19.974
NetIC36_7: IC36.7 R54.1 R62.1 T9.1 | length 22.7
  TopLayer w0.127: v1(125.955,10.665) 125.955,10.062 126.628,9.389 126.628,5.718 127.098,5.248 T9.1@128.699,5.248 ; v1(130.812,20.531) 130.813,20.281 130.499,19.968 131.803,19.968 R62.1@131.924,19.847
  Signal Layer 1 w0.127: v1(125.955,10.665) 125.955,12.064 126.424,12.534 126.424,13.898 126.253,14.07 126.253,15.132 130.083,18.962 130.083,19.802 v1(130.812,20.531)
  BottomLayer w0.127: R54.1@130.019,20.101 130.449,20.531 v1(130.812,20.531)
NetIC36_10: IC36.10 R165.1 R168.2 | length 3.7
  TopLayer w0.254: R165.1@121.256,17.993 R168.2@122.78,17.993 123.351,17.993 123.916,17.428 IC36.10@124.68,17.428
NetIC36_12: IC36.12 R77.1 R78.1 | length 15.3
  TopLayer w0.127: IC36.12@124.68,14.888 125.706,14.888 v1(125.813,14.781) ; v1(127.225,11.046) 127.647,10.624 130.203,10.624 130.613,10.214 135.099,10.214 R77.1@135.099,10.119
  BottomLayer w0.127: R78.1@124.685,14.513 125.545,14.513 v1(125.813,14.781) 125.813,14.167 125.544,13.898 125.544,13.437 126.253,12.728 126.253,12.018 v1(127.225,11.046)
NetIC36_13: IC36.13 R9.1 R85.2 | length 5.6
  TopLayer w0.127: R85.2@122.78,14.945 122.78,13.624 122.907,13.497 124.559,13.497 IC36.13@124.68,13.618 125.886,13.618 v1(125.984,13.716)
  BottomLayer w0.127: v1(125.984,13.716) R9.1@126.962,13.716
NetIC36_14: IC36.14 R71.2 R75.1 R78.2 R79.1 | length 293.3
  TopLayer w0.203: R79.1@9.263,93.006 9.263,94.048 9.957,94.742 11.811,94.742 12.263,94.29 R75.1@12.263,93.006 14.621,93.006 v1(15.719,94.104) ; v1(125.813,12.545) 125.615,12.348 IC36.14@124.68,12.348 124.68,11.263 125.662,10.28 125.662,9.941 126.336,9.268 126.336,4.877 127.86,3.353 143.194,3.353 146.307,6.466 146.496,6.466 146.722,6.24 148.928,6.24 149.632,6.945 151.641,6.945 153.004,8.308 153.004,8.677 153.607,9.28 156.26,9.28 158.67,11.69 158.67,53.642 158.213,54.099 158.213,56.639 v1(155.673,59.179)
  Signal Layer 1 w0.203: v1(15.719,94.104) 17.957,96.342 116.658,96.342 118.17,94.83 118.17,73.848 118.063,73.741 118.063,57.97 123.863,52.17 125.137,52.17 125.331,52.364 126.901,52.364 128.265,51 140.263,51 142,52.736 v1(142,53)
  BottomLayer w0.203: R78.2@124.685,12.913 125.445,12.913 v1(125.813,12.545) ; v1(142,53) 142,53.921 R71.2@141.859,54.061 141.859,56.584 144.425,59.15 155.673,59.15 v1(155.673,59.179)
NetL1_1_1: 
NetL1_2_1: 
NetL1_3_1: 
NetL1_4_1: 
NetL2_1_1: 
NetL2_2_1: 
NetL2_3_1: 
NetL2_4_1: 
NetL5_1_1: 
NetL5_2_1: 
NetL5_3_1: 
NetL5_4_1: 
NetL10_1_1: 
NetL10_2_1: 
NetL10_3_1: 
NetL10_4_1: 
NetL11_1_1: 
NetL11_2_1: 
NetL11_3_1: 
NetL11_4_1: 
NetL12_1_1: 
NetL12_2_1: 
NetL12_3_1: 
NetL12_4_1: 
NetL13_1_1: 
NetL13_2_1: 
NetL13_3_1: 
NetL13_4_1: 
NetL14_1_1: 
NetL14_2_1: 
NetL14_3_1: 
NetL14_4_1: 
NetLD3_2: LD3.2 R74.1 | length 6.8
  TopLayer w0.152: LD3.2@2.678,89.126 2.678,90.461 3.623,91.406 R74.1@7.763,91.406
NetLD3_3: LD3.3 R79.2 | length 9.6
  TopLayer w0.152: LD3.3@5.218,86.586 3.908,87.896 3.908,89.532 4.872,90.496 8.353,90.496 R79.2@9.263,91.406
NetLD3_6: LD3.6 R83.2 | length 3.9
  TopLayer w0.152: LD3.6@7.758,89.126 9.306,90.675 10.032,90.675 R83.2@10.763,91.406
NetLD3_8: LD3.8 R75.2 | length 3.8
  TopLayer w0.152: LD3.8@10.298,89.126 11.503,89.126 12.263,89.886 R75.2@12.263,91.406
NetLD4_2: LD4.2 R113.2 | length 20.3
  BottomLayer w0.203: LD4.2@2.678,18.476 4.264,20.063 11.02,20.063 17.763,13.32 R113.2@17.763,11.506
NetLD4_4: LD4.4 R114.2 | length 12.4
  BottomLayer w0.203: LD4.4@5.218,18.476 6.495,18.476 9.394,15.578 9.394,15.562 9.923,15.033 11.236,15.033 R114.2@14.763,11.506
NetLD4_6: LD4.6 R115.2 | length 11.8
  BottomLayer w0.203: LD4.6@7.758,18.476 9.055,18.476 9.934,17.598 10.818,17.598 16.263,12.153 R115.2@16.263,11.506
NetLD4_8: LD4.8 R119.2 | length 24.7
  BottomLayer w0.203: LD4.8@10.298,18.476 9.419,19.355 4.162,19.355 3.581,18.774 3.581,15.564 4.442,14.702 9.903,14.702 11.201,13.405 11.201,10.062 10.963,9.823 R119.2@10.963,7.856
NetLD5_2: LD5.2 R120.2 | length 11
  BottomLayer w0.203: LD5.2@2.678,12.976 3.955,12.976 6.854,10.078 6.854,10.062 7.383,9.533 7.886,9.533 R120.2@10.963,6.456
NetLD5_4: LD5.4 R121.2 | length 11.6
  TopLayer w0.203: LD5.4@5.218,12.976 6.096,13.855 8.121,13.855 8.636,13.34 8.636,13.176 10.472,11.34 10.672,11.34 11.401,10.611 11.401,9.776 10.963,9.338 R121.2@10.963,7.206
NetLD5_6: LD5.6 R122.2 | length 9
  TopLayer w0.203: LD5.6@7.758,12.976 8.734,12 8.734,7.236 10.264,5.706 R122.2@10.963,5.706
NetLD5_8: LD5.8 R123.2 | length 10.1
  TopLayer w0.203: LD5.8@10.298,12.976 11.782,11.492 11.782,4.315 11.673,4.206 R123.2@10.963,4.206
NetR55_1: R55.1 R169.2 | length 1.5
  TopLayer w0.203: R55.1@133.448,18.374 133.448,16.926 R169.2@133.486,16.888
NetR60_1: R60.1 R63.2 | length 23.3
  TopLayer w0.254: R63.2@103.91,25.397 103.91,25.707 104.98,26.777 111.966,26.777 111.993,26.75 111.993,19.926 112.165,19.754 112.753,19.754 113.251,19.256 113.251,18.838 ; R60.1@110.152,15.7 110.152,16.902 110.297,17.047 111.868,17.047 112.097,17.276 112.614,17.276 113.251,17.912 113.251,18.367 ; 113.25,18.367 113.25,18.838
NetR60_2: R60.2 R74.2 T9.3 | length 250.9
  TopLayer w0.127: 118.081,17.904 122.331,22.155 136.805,22.155 136.991,21.968 137.639,21.968 v1@138.709,23.039
  TopLayer w0.203: R74.2@7.763,93.006 7.763,93.768 9.369,95.374 v1(17.878,95.374)
  TopLayer w0.254: R60.2@110.588,12.771 110.588,13.967 111.437,14.817 111.437,16.363 111.74,16.666 112.026,16.666 112.254,16.895 112.837,16.895 113.986,18.044 117.941,18.044 118.081,17.904 119.729,16.256 120.913,16.256 121.412,15.757 121.412,12.7 122.049,12.063 T9.3@122.049,7.528 T9.3@121.728,7.528
  Signal Layer 1 w0.203: v1(17.878,95.374) 18.515,96.012 116.488,96.012 117.5,95 117.5,58.066 123.726,51.84 125.274,51.84 125.468,52.034 126.764,52.034 128.128,50.67 139.83,50.67 140,50.5 140,49.484 137.766,47.25 137.766,23.746 138.528,22.984 v1(138.764,22.984)
NetR63_1: R63.1 R66.2 | length 15.2
  TopLayer w0.127: R66.2@94.406,19.481 R66.2@94.586,19.481
  TopLayer w0.254: R66.2@94.586,19.481 94.586,20.233 94.125,20.693 94.107,20.693 93.959,20.842 93.959,26.256 94.25,26.547 99.235,26.547 99.539,26.244 99.539,25.711 99.853,25.397 R63.1@101.01,25.397
NetR66_1: R66.1 R73.2 | length 16.6
  TopLayer w0.127: R66.1@94.586,16.581 R66.1@94.763,16.581
  TopLayer w0.254: R66.1@94.586,16.581 94.155,16.581 93.527,15.953 93.527,9.565 93.806,9.285 100.25,9.285 100.629,9.664 R73.2@100.629,11.046
NetR73_1: R73.1 SW1.1 W1.1 | length 26.1
  TopLayer w0.127: 112.072,16.11 112.184,16.222
  TopLayer w0.254: R73.1@103.529,11.046 103.529,9.608 103.891,9.246 104.709,9.246 104.748,9.285 110.535,9.285 112.009,10.759 112.009,16.136 112.157,16.285 112.184,16.285 112.412,16.514 114.036,16.514 115.007,17.485 117.518,17.485 117.763,17.24 117.763,17.111 W1.1@120.142,14.732
NetR172_1: R172.1 T9.2 | length 3.2
  TopLayer w0.127: T9.2@128.699,9.808 131.437,9.808 R172.1@131.797,9.448
NetR174_2: R174.2 W1.2 | length 7.9
  TopLayer w0.152: R174.2@117.954,5.166 117.954,5.196 118.335,5.577 118.335,10.385 W1.2@120.142,12.192